# Altium PCB FMC_radio_holeRef.PcbDoc (part 1 of 2) (continued)
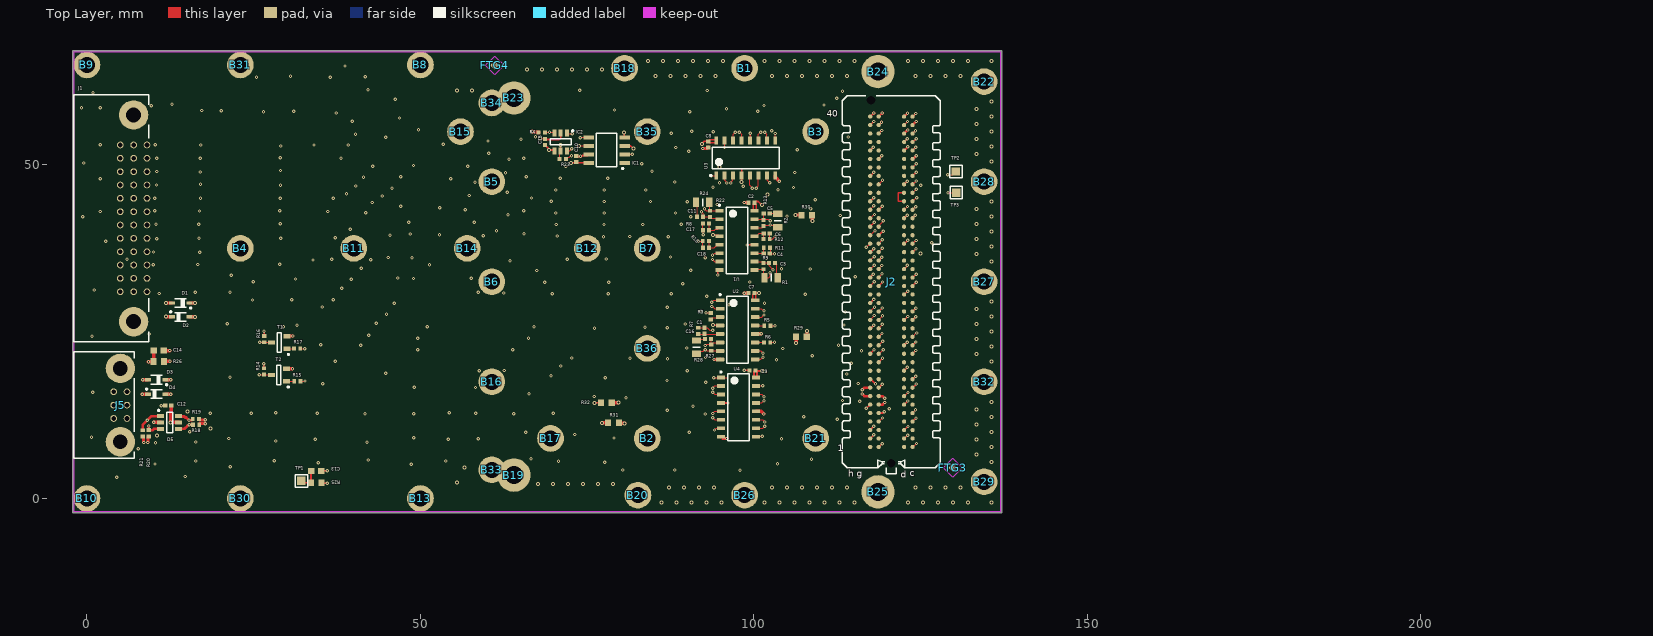
[diagram p0: Top Layer view]
## Footprints (in the part's own frame and the unit in brackets; to place one, negate y for a bottom-side part, rotate by r counter-clockwise, add the part's x,y. Pads: shape width x height; smd on the part's side, far side on the other; paste and mask are expansions set on the pad)
CAPC1005X55N [mm] "Capacitor, Non-Polarized, Chip; 1.00mm L X 0.50mm W X 0.70mm H, IPC Medium Density"
  rect 0.62x0.62 smd: 1(-0.45,0) 2(0.45,0)
  body extent -0.52,-0.27 0.53,0.28, height 0.55
CAPC1608X90N [mm] "Chip Capacitor, Body 1.6x0.8mm IPC Medium Density"
  rect 0.95x0.95 smd: 1(-0.75,0) 2(0.75,0)
  body extent -0.85,-0.45 0.85,0.45, height 0.9
D0016A_L [mm] "SOIC, 16-Leads, Body 10x4mm, Pitch 1.27mm, IPC High Density"
  rrect18% 1.25x0.55 smd: 1(-2.625,4.445) 2(-2.625,3.175) 3(-2.625,1.905) 4(-2.625,0.635) 5(-2.625,-0.635) 6(-2.625,-1.905) 7(-2.625,-3.175) 8(-2.625,-4.445) 9(2.625,-4.445) 10(2.625,-3.175) 11(2.625,-1.905) 12(2.625,-0.635) 13(2.625,0.635) 14(2.625,1.905) 15(2.625,3.175) 16(2.625,4.445)
  silkscreen extent -2.75,-5 1.6,5.39, body extent -3,-4.95 3,4.95, height 1.59
FIDUCIAL_TOP_C100-200 [mm] "Round Fiducial Target, Top Layer, 1.0mm, Top Solder 2.0mm, Keepout =2.0mm"
  round 1 smd paste-0.51 mask+0.5: FTG2(0,0)
  Top Layer keep-out circle w0.1: c0,0 r1
FIDUCIAL_TOP_S100-200 [mm] "Square Fiducial Target, Top Layer, 1.0mm, Top Solder 2.0mm, Keepout =2.0mm"
  rect 1x1 smd rot 45 paste-0.51 mask+0.5: 1(0,0)
  Top Layer keep-out region: 1.414,0 0,-1.414 -1.414,0 0,1.414
M80-5400642 [mm] "M80-5400642"
  round 1 hole 0.7: 1(2,1) 2(0,1) 3(-2,1) 4(2,-1) 5(0,-1) 6(-2,-1)
  round 4.4 hole 2.2: 7(-5.5,0) 8(5.5,0)
  silkscreen extent -8,-7 8,2.1, body extent -8,-7 8,2.1, height 6.05
M83-LML3M5N36-0000-000 [mm] "M83-LML3M5N36-0000-000"
  round 1 hole 0.7: 1(8,2) 2(6,2) 3(4,2) 4(2,2) 5(0,2) 6(-2,2) 7(-4,2) 8(-6,2) 9(-8,2) 10(-10,2) 11(-12,2) 12(-14,2) 13(8,0) 14(6,0) 15(4,0) 16(2,0) 17(0,0) 18(-2,0) 19(-4,0) 20(-6,0) 21(-8,0) 22(-10,0) 23(-12,0) 24(-14,0) 25(8,-2) 26(6,-2) 27(4,-2) 28(2,-2) 29(0,-2) 30(-2,-2) 31(-4,-2) 32(-6,-2) 33(-8,-2) 34(-10,-2) 35(-12,-2) 36(-14,-2)
  round 4.4 hole 2.25: 37(-18.5,0) 38(12.5,0)
  silkscreen extent -21.5,-9 15.5,2.24, body extent -21.5,-9 15.5,2.24, height 8.35
MTG240_400 [mm] "Plated Through Hole: Hole Dia.=2.4mm Pad Dia.=4.0mm"
  round 4 hole 2.4: 1(0,0)
MTG270_500 [mm] "Plated Through Hole: Hole Dia.=2.7mm Pad Dia.=5.0mm"
  round 5 hole 2.7: 1(0,0)
RESC1005X40N [mm] "Chip Resistor, EIA 0402, Metric 1005, Body 1.0x0.5mm, IPC Medium Density"
  rect 0.58x0.62 smd: 1(-0.47,0) 2(0.47,0)
  body extent -0.52,-0.27 0.53,0.28, height 0.4
RESC1608X55N [mm] "Chip Resistor, EIA 0603, Metric 1608, Body 1.6x0.8mm, IPC Medium Density"
  rect 0.9x1 smd: 1(-0.8,0) 2(0.8,0)
  body extent -0.87,-0.47 0.88,0.48, height 0.55
RESC2012X60N [mm] "Chip Resistor, EIA 0805, Metric 2012, Body 2.0x1.2mm, IPC Medium Density"
  rect 0.95x1.4 smd: 1(-1,0) 2(1,0)
  silkscreen extent 0,-0.55 0,0.55, body extent -1.1,-0.67 1.1,0.68, height 0.6
SAMTEC_ASP-127797-01 [mm] "Connector VITA 57, 160 Male contacts in 4 row cdgh"
  round 1 hole 1.3 unplated mask+0.3: 1(-27.191,-3.048) 2(27.191,0)
  round 0.64 smd: c1(24.765,3.175) c2(23.495,3.175) c3(22.225,3.175) c4(20.955,3.175) c5(19.685,3.175) c6(18.415,3.175) c7(17.145,3.175) c8(15.875,3.175) c9(14.605,3.175) c10(13.335,3.175) c11(12.065,3.175) c12(10.795,3.175) c13(9.525,3.175) c14(8.255,3.175) c15(6.985,3.175) c16(5.715,3.175) c17(4.445,3.175) c18(3.175,3.175) c19(1.905,3.175) c20(0.635,3.175) c21(-0.635,3.175) c22(-1.905,3.175) c23(-3.175,3.175) c24(-4.445,3.175) c25(-5.715,3.175) c26(-6.985,3.175) c27(-8.255,3.175) c28(-9.525,3.175) c29(-10.795,3.175) c30(-12.065,3.175) c31(-13.335,3.175) c32(-14.605,3.175) c33(-15.875,3.175) c34(-17.145,3.175) c35(-18.415,3.175) c36(-19.685,3.175) c37(-20.955,3.175) c38(-22.225,3.175) c39(-23.495,3.175) c40(-24.765,3.175) d1(24.765,1.905) d2(23.495,1.905) d3(22.225,1.905) d4(20.955,1.905) d5(19.685,1.905) d6(18.415,1.905) d7(17.145,1.905) d8(15.875,1.905) d9(14.605,1.905) d10(13.335,1.905) d11(12.065,1.905) d12(10.795,1.905) d13(9.525,1.905) d14(8.255,1.905) d15(6.985,1.905) d16(5.715,1.905) d17(4.445,1.905) d18(3.175,1.905) d19(1.905,1.905) d20(0.635,1.905) d21(-0.635,1.905) d22(-1.905,1.905) d23(-3.175,1.905) d24(-4.445,1.905) d25(-5.715,1.905) d26(-6.985,1.905) d27(-8.255,1.905) d28(-9.525,1.905) d29(-10.795,1.905) d30(-12.065,1.905) d31(-13.335,1.905) d32(-14.605,1.905) d33(-15.875,1.905) d34(-17.145,1.905) d35(-18.415,1.905) d36(-19.685,1.905) d37(-20.955,1.905) d38(-22.225,1.905) d39(-23.495,1.905) d40(-24.765,1.905) g1(24.765,-1.905) g2(23.495,-1.905) g3(22.225,-1.905) g4(20.955,-1.905) g5(19.685,-1.905) g6(18.415,-1.905) g7(17.145,-1.905) g8(15.875,-1.905) g9(14.605,-1.905) g10(13.335,-1.905) g11(12.065,-1.905) g12(10.795,-1.905) g13(9.525,-1.905) g14(8.255,-1.905) g15(6.985,-1.905) g16(5.715,-1.905) g17(4.445,-1.905) g18(3.175,-1.905) g19(1.905,-1.905) g20(0.635,-1.905) g21(-0.635,-1.905) g22(-1.905,-1.905) g23(-3.175,-1.905) g24(-4.445,-1.905) g25(-5.715,-1.905) g26(-6.985,-1.905) g27(-8.255,-1.905) g28(-9.525,-1.905) g29(-10.795,-1.905) g30(-12.065,-1.905) g31(-13.335,-1.905) g32(-14.605,-1.905) g33(-15.875,-1.905) g34(-17.145,-1.905) g35(-18.415,-1.905) g36(-19.685,-1.905) g37(-20.955,-1.905) g38(-22.225,-1.905) g39(-23.495,-1.905) g40(-24.765,-1.905) h1(24.765,-3.175) h2(23.495,-3.175) h3(22.225,-3.175) h4(20.955,-3.175) h5(19.685,-3.175) h6(18.415,-3.175) h7(17.145,-3.175) h8(15.875,-3.175) h9(14.605,-3.175) h10(13.335,-3.175) h11(12.065,-3.175) h12(10.795,-3.175) h13(9.525,-3.175) h14(8.255,-3.175) h15(6.985,-3.175) h16(5.715,-3.175) h17(4.445,-3.175) h18(3.175,-3.175) h19(1.905,-3.175) h20(0.635,-3.175) h21(-0.635,-3.175) h22(-1.905,-3.175) h23(-3.175,-3.175) h24(-4.445,-3.175) h25(-5.715,-3.175) h26(-6.985,-3.175) h27(-8.255,-3.175) h28(-9.525,-3.175) h29(-10.795,-3.175) h30(-12.065,-3.175) h31(-13.335,-3.175) h32(-14.605,-3.175) h33(-15.875,-3.175) h34(-17.145,-3.175) h35(-18.415,-3.175) h36(-19.685,-3.175) h37(-20.955,-3.175) h38(-22.225,-3.175) h39(-23.495,-3.175) h40(-24.765,-3.175)
  silkscreen extent -27.89,-7.34 28.78,7.34, body extent -27.89,-7.34 28.78,7.34, height 5.61
SOD2512X110N [mm] "Small Outline Diode (SOD-323), 1.70mm W X 1.25mm L X 1.10mm H body,  IPC Medium Density"
  rect 0.9x0.5 smd: 1(-1.3,0) 2(1.3,0)
  silkscreen extent -1.63,-0.65 0.85,0.87, body extent -1.35,-0.67 1.35,0.68, height 1.1
SOIC127P600X175-8N [mm] "SOIC 8, Pitch 1.27mm - Body 4x5mm, IPC Medium Density"
  rect 1.55x0.6 smd: 1(-2.7,1.905) 2(-2.7,0.635) 3(-2.7,-0.635) 4(-2.7,-1.905) 5(2.7,-1.905) 6(2.7,-0.635) 7(2.7,0.635) 8(2.7,1.905)
  silkscreen extent -2.53,-2.5 1.55,2.88, body extent -3.1,-2.5 3.1,2.5, height 1.75
SOT95P240X110-3N [mm] "SOT23 3-Leads, Pitch 0.95mm, Body 1.3x2.9mm, IPC Medium Density"
  rect 1.05x0.65 smd: 1(-1.15,0.95) 2(-1.15,-0.95) 3(1.15,0)
  silkscreen extent -1.53,-1.45 0.3,1.92, body extent -1.25,-1.5 1.25,1.5, height 1.1
SOT95P280X145-6N [mm] "SOT23, 6-Leads, Body 1.6x3.0mm, Pitch 0.95mm, IPC Medium Density"
  rect 1.05x0.6 smd: 1(-1.35,0.95) 2(-1.35,0) 3(-1.35,-0.95) 4(1.35,-0.95) 5(1.35,0) 6(1.35,0.95)
  silkscreen extent -1.77,-1.55 0.45,1.92, body extent -1.4,-1.5 1.4,1.5, height 1.45
TPS127 [mm] "1.27 x  1.27mm SMD Test Point Area"
  rect 1.27x1.27 smd paste-1.27: 1(0,0)
  silkscreen extent -0.94,-0.94 0.94,0.94

## Part data
B1 B2 B3 B4 B5 B6 B7 B8 B9 B10 B11 B12 B13 B14 B15 B16 B17 B18 B20 B21 B22 B26 B27 B28 B29 B30 B31 B32 B33 B34 B35 B36: library part PLATED_HOLE2.4_PAD4.0, "Single Terminal Socket", Author="CERN DEM JMW", ComponentHeight=0mm, Component Type="Standard (No BOM)", CreateDate=2011-10-10, Family="Plated Hole", LatestRevisionDate=2011-10-10, Mounted=No, PackageDescription="Plated Through Hole: Hole Dia.=2.4mm Pad Dia.=4.0mm", Part Description="Plated Through Hole: Hole Dia.=2.4mm Pad Dia.=4.0mm", Part Number=PLATED_HOLE2.4_PAD4.0, Pin Count=1, SMD=No, Socket=No, Status=None, Table=Pads
B19 B23 B24 B25: library part PLATED_HOLE2.7_PAD5.0, "Single Terminal Socket", Author="CERN DEM JMW", ComponentHeight=0mm, Component Type="Standard (No BOM)", CreateDate=27/09/2011, Family="Plated Hole", HelpURL=Undefined, LatestRevisionDate=27/09/2011, Mounted=No, PackageDescription="Plated Through Hole: Hole Dia.=2.7mm Pad Dia.=5.0mm", Part Description="Plated Through Hole: Hole Dia.=2.7mm Pad Dia.=5.0mm", Part Number=PLATED_HOLE2.7_PAD5.0, Pin Count=1, Sense=No, SMD=No, Socket=No, Status=None
C1 C3 C4 C5 C6 C11 C16 C17 C18: library part CC0402_100PF_25V_1%_C0G_KEMET_HiQ-CBR, "Non-polarised capacitor", Case=0402, Manufacturer=KEMET, Manufacturer Part Number=CBR04C101F3GAC, Tolerance=±1%, Voltage=25V, Author="CERN DEM BC", ComponentHeight=0.55mm, Component Type=Standard, CreateDate=17.11.2017, HelpURL=\\cern.ch\dfs\Applications\Altium\Datasheets\CC0402_C0G_KEMET_HiQ-CBR.pdf, LatestRevisionDate=21.11.2017, Mounted=Yes, Part Description="High Q and low ESR, SMD Multilayer Chip Ceramic Capacitor, HiQ-CBR Series", Part Number=CC0402_100PF_25V_1%_C0G_KEMET_HiQ-CBR, Pin Count=2, Sense=No, SMD=Yes, Socket=No, Status="Not Recommended", TC=C0G/NP0
C2 C7 C8 C9 C10 C12 C15: library part CC0402_100NF_16V_10%_X7R, "Non-polarised capacitor", Case=0402, Manufacturer=GENERIC, Manufacturer1 ComponentHeight=0.55mm, Manufacturer1 Example=MURATA, Manufacturer1 Part Number=GRM155R71C104KA88D, Tolerance=±10%, Voltage=16V, Author="CERN DEM JLC", Component Type=Standard, CreateDate=05.12.2013, HelpURL=\\cern.ch\dfs\Applications\Altium\Datasheets\CC0402_X7R_MURATA_GRM.pdf, LatestRevisionDate=03.12.2007, Manufacturer Part Number=CC0402_100NF_16V_10%_X7R, Mounted=Yes, Part Description="SMD Multilayer Chip Ceramic Capacitor", Part Number=CC0402_100NF_16V_10%_X7R, Pin Count=2, Sense=No, SMD=Yes, Socket=No, Status="Not Recommended", TC=X7R
C13 C14: library part CC0603_10NF_100V_10%_X7R_YUDEN_HMK107B7103KAHT, "Non-polarised capacitor", Case=0603, Manufacturer="TAIYO YUDEN", Manufacturer Part Number=HMK107B7103KAHT, Tolerance=±10%, Voltage=100V, Author="CERN DEM JLC", ComponentHeight=0.9mm, Component Type=Standard, CreateDate=10.05.2017, HelpURL=\\cern.ch\dfs\Applications\Altium\Datasheets\CC0603_TAIYO-YUDEN_HMK107B7103KAHT.pdf, LatestRevisionDate=10.05.2017, Mounted=Yes, Part Description="SMD Multilayer Chip Ceramic Capacitor for Automotive / Industrial Applications", Part Number=CC0603_10NF_100V_10%_X7R_YUDEN_HMK107B7103KAHT, Pin Count=2, Sense=No, SMD=Yes, Socket=No, Status="Not Recommended", TC=X7R
D1 D2 D3 D4: "Schottky Diode", Case=SOD323, Manufacturer=INFINEON, Power=750mA, Voltage=40V, Author="CERN DEM JLC", Bonding=No, ComponentHeight=1.1mm, Component Type=Standard, CreateDate=12.11.2014, Device=BAT165, HelpURL=\\cern.ch\dfs\Applications\Altium\Datasheets\BAT165.pdf, LatestRevisionDate=12.11.2014, Manufacturer Part Number=BAT165, Mounted=Yes, PackageDescription="Small Outline Diode (SOD-323), 1.70mm W X 1.25mm L X 1.10mm H body,  IPC Medium Density", Part Description="Medium Power AF Schottky Diode", Part Number=BAT165, Pin Count=2, PressFit=No, Sense=No, SMD=Yes, Socket=No
D5: library part HDMIULC6-4SC6, "Ultra Large Bandwidth HDMI ESD Protection", Case=SOT23-6, Manufacturer="ST MICROELECTRONICS", Voltage=6V, Author="CERN DEM JLC", Bonding=No, ComponentHeight=1.45mm, Component Type=Standard, CreateDate=04.06.2012, Device=QSBT40-7-F, HelpURL=\\cern.ch\dfs\Applications\Altium\Datasheets\HDMIULC6-4SC6.pdf, LatestRevisionDate=03.07.2012, Manufacturer Part Number=QSBT40-7-F, Mounted=Yes, PackageDescription="SOT23, 6-Leads, Body 1.6x3.0mm, Pitch 0.95mm, IPC Medium Density", Part Description="Ultra Large Bandwidth HDMI ESD (15kV) Protection", Part Number=QSBT40-7-F, Pin Count=6, PressFit=No, Sense=No, SMD=Yes, Socket=No
FTG1 FTG2: library part FIDUCIAL_TARGET_C100-200, "Fiducial Target", Author="CERN DEM JLC", ComponentHeight=0mm, Component Type="Standard (No BOM)", CreateDate=09/02/2010, Family=Fiducial, HelpURL=Undefined, LatestRevisionDate=04/04/2012, Mounted=No, PackageDescription="Round Fiducial Target, Top Layer, 1.0mm, Top Solder 2.0mm, Keepout =2.0mm", Part Description="Round Fiducial Target, Top Layer, 1.0mm, Top Solder 2.0mm, Keepout =2.0mm", Part Number=FIDUCIAL_TARGET_C100-200, Pin Count=1, Sense=No, SMD=Yes, Socket=No, Status=None
FTG3 FTG4: library part FIDUCIAL_TARGET_S100-200, "Fiducial Target", Author="CERN DEM JLC", ComponentHeight=0mm, Component Type="Standard (No BOM)", CreateDate=09/02/2010, Family=Fiducial, HelpURL=Undefined, LatestRevisionDate=04/04/2012, Mounted=No, PackageDescription="Square Fiducial Target, Top Layer, 1.0mm, Top Solder 2.0mm, Keepout =2.0mm", Part Description="Square Fiducial Target, Top Layer, 1.0mm, Top Solder 2.0mm, Keepout =2.0mm", Part Number=FIDUCIAL_TARGET_S100-200, Pin Count=1, Sense=No, SMD=Yes, Socket=No, Status=None
IC1: "4Kb Serial 3V F-RAM Memory", Case=SOIC8, Manufacturer=CYPRESS, Author="CERN DEM JLC", Bonding=No, ComponentHeight=1.75mm, Component Type=Standard, CreateDate=25.11.2013, Device=FM24CL04B-G, HelpURL=\\cern.ch\dfs\Applications\Altium\Datasheets\FM24CL04B-G.pdf, LatestRevisionDate=25.11.2013, Manufacturer Part Number=FM24CL04B-G, Mounted=Yes, PackageDescription="SOIC 8, Pitch 1.27mm - Body 4x5mm, IPC Medium Density", Part Description="4Kb Serial 3V F-RAM Memory", Part Number=FM24CL04B-G, Pin Count=8, PressFit=No, Sense=No, SMD=Yes, Socket=No
IC2: "Digital Temperature Sensor with I2C Interface", Case=SOT23-6, Manufacturer="TEXAS INSTRUMENTS", Author="CERN DEM JLC", Bonding=No, ComponentHeight=1.45mm, Component Type=Standard, CreateDate=25.04.2012, Device=TMP101NA/250, HelpURL=\\cern.ch\dfs\Applications\Altium\Datasheets\TMP101NA-250.pdf, LatestRevisionDate=25.04.2012, Manufacturer Part Number=TMP101NA/250, Mounted=Yes, PackageDescription="SOT23, 6-Leads, Body 1.6x3.0mm, Pitch 0.95mm, IPC Medium Density", Part Description="-55°C to +125°C, ±3.0°C Accuracy, Digital Temperature Sensor with I2C Interface", Part Number=TMP101NA/250, Pin Count=6, PressFit=No, Sense=No, SMD=Yes, Socket=No
J1: library part 61303611021, "Pin Header WR-PHD, pitch 2.54 mm, THT, Angled, single row, 36 pin", Contact Resistance="20 mOhm", Insulation Resistance=">1000 MOhm", Operating Temperature="-40 to 105 degC", Rated Current="3 A", Working Voltage="250 VAC", ComponentLink1Description=Manufacturer, ComponentLink1URL=http://www.we-online.de, ComponentLink2Description=Datasheet, ComponentLink2URL=http://katalog.we-online.de/em/datasheet/6130xx11021.pdf, Mounting Technology=THT, Orientation=Angled, Part Number=M83-LML3M5N36-0000-000, Pin Number=36, Pitch="2.54 mm", Published Date="Jan. 2018", Publisher=HARWIN, Row Number=Single
J2: library part SAMTEC_ASP-127797-01, "Connector VITA 57, 160 Male contacts in 4 row cdgh", Manufacturer=SAMTEC, Manufacturer Part Number=ASP-134488-01, Author="CERN DEM JLC", ComponentHeight=6.1mm, Component Type=Standard, CreateDate=9/24/2009, Datasheet=\\cern.ch\dfs\Applications\Altium\Datasheets\SAMTEC_ASP-127797-01.pdf, Family="VITA 57", HelpURL=\\cern.ch\dfs\Applications\Altium\Datasheets\SAMTEC_ASP-127797-01.pdf, LatestRevisionDate=9/24/2009, Mounted=Yes, Part Description="160 contacts (4 rows cdgh) Surface Mount Male Connector, VITA 57", Part Number=SAMTEC_ASP-127797-01, Pin Count=160, SMD=Yes, Socket=No, Status=None, Table=SAMTEC
J5: library part 61000618221, "Pin Header WR-PHD, pitch 2.54 mm, SMD, Vertical, single row, 6 pin", Contact Resistance="20 mOhm", Insulation Resistance=">1000 MOhm", Operating Temperature="-40 to 105 degC", Rated Current="3 A", Working Voltage="250 VAC", ComponentLink1Description=Manufacturer, ComponentLink1URL=http://www.we-online.de, ComponentLink2Description=Datasheet, ComponentLink2URL=http://katalog.we-online.de/em/datasheet/6100xx18221.pdf, Mounting Technology=SMD, Orientation=Vertical, Part Number=M80-5400642, Pin Number=6, Pitch="2.54 mm", Published Date="Jan. 2018", Publisher=Harwin, Row Number=Single
R1 R2 R24 R28: library part R0805_120R_1%_0.125W_100PPM, "Resistor - 1%", Case=0805, Manufacturer=GENERIC, Manufacturer1 ComponentHeight=0.6mm, Manufacturer1 Example="NIC COMPONENT", Manufacturer1 Part Number=NRC10F1200TRF, Power=0.125W, Tolerance=±1%, Author="CERN DEM JLC", Component Type=Standard, CreateDate=03.12.2007, HelpURL=\\cern.ch\dfs\Applications\Altium\Datasheets\R0805_NIC_NRC.pdf, LatestRevisionDate=13.03.2008, Manufacturer Part Number=R0805_120R_1%_0.125W_100PPM, Mounted=Yes, Part Description="General Purpose Thick Film Chip Resistor", Part Number=R0805_120R_1%_0.125W_100PPM, Pin Count=2, PressFit=No, Sense=No, SMD=Yes, Socket=No, Status=Preferred, TC=±100ppm/°C
R3 R4 R5 R6 R7 R8 R9 R10 R11 R12 R13 R14 R15 R16 R17 R22 R23 R27: library part R0402_10K_1%_0.0625W_100PPM, "Resistor - 1%", Case=0402, Manufacturer=GENERIC, Manufacturer1 ComponentHeight=0.4mm, Manufacturer1 Example="YAGEO PHYCOMP", Manufacturer1 Part Number=232270671003L, Power=0.0625W, Tolerance=±1%, Author="CERN DEM JLC", Component Type=Standard, CreateDate=03.12.2007, HelpURL=\\cern.ch\dfs\Applications\Altium\Datasheets\R0402_Phycomp_RC0402.pdf, LatestRevisionDate=17.10.2012, Manufacturer Part Number=R0402_10K_1%_0.0625W_100PPM, Mounted=Yes, Part Description="General Purpose Thick Film Chip Resistor", Part Number=R0402_10K_1%_0.0625W_100PPM, Pin Count=2, PressFit=No, Sense=No, SMD=Yes, Socket=No, Status="Not Recommended", TC=±100ppm/°C
R18 R19 R20 R21: library part R0402_22R_1%_0.0625W_100PPM, "Resistor - 1%", Case=0402, Manufacturer=GENERIC, Manufacturer1 ComponentHeight=0.4mm, Manufacturer1 Example="YAGEO PHYCOMP", Manufacturer1 Part Number=232270672209L, Power=0.0625W, Tolerance=±1%, Author="CERN DEM JLC", Component Type=Standard, CreateDate=03.12.2007, HelpURL=\\cern.ch\dfs\Applications\Altium\Datasheets\R0402_Phycomp_RC0402.pdf, LatestRevisionDate=17.10.2012, Manufacturer Part Number=R0402_22R_1%_0.0625W_100PPM, Mounted=Yes, Part Description="General Purpose Thick Film Chip Resistor", Part Number=R0402_22R_1%_0.0625W_100PPM, Pin Count=2, PressFit=No, Sense=No, SMD=Yes, Socket=No, Status="Not Recommended", TC=±100ppm/°C
R25 R26: library part R0603_1M_1%_0.1W_100PPM, "Resistor - 1%", Case=0603, Manufacturer=GENERIC, Manufacturer1 ComponentHeight=0.55mm, Manufacturer1 Example="NIC COMPONENT", Manufacturer1 Part Number=NRC06F1004TRF, Power=0.1W, Tolerance=±1%, Author="CERN DEM JLC", Component Type=Standard, CreateDate=03.12.2007, HelpURL=\\cern.ch\dfs\Applications\Altium\Datasheets\R0603_NIC_NRC.pdf, LatestRevisionDate=13.03.2008, Manufacturer Part Number=R0603_1M_1%_0.1W_100PPM, Mounted=Yes, Part Description="General Purpose Thick Film Chip Resistor", Part Number=R0603_1M_1%_0.1W_100PPM, Pin Count=2, PressFit=No, Sense=No, SMD=Yes, Socket=No, Status=Preferred, TC=±100ppm/°C
R29 R30 R31 R32: library part R0603_0R_JUMPER, "Resistor", Case=0603, Manufacturer=GENERIC, Manufacturer1 ComponentHeight=0.55mm, Manufacturer1 Example="NIC COMPONENT", Manufacturer1 Part Number=NRC06Z0, Author="CERN DEM JLC", Component Type=Standard, CreateDate=03.12.2007, HelpURL=\\cern.ch\dfs\Applications\Altium\Datasheets\R0603_NIC_NRC.pdf, LatestRevisionDate=13.03.2008, Manufacturer Part Number=R0603_0R_JUMPER, Mounted=Yes, Part Description="1A (0.05R Max DC Resistance) Zero Ohm Jumper", Part Number=R0603_0R_JUMPER, Pin Count=2, PressFit=No, Sense=No, SMD=Yes, Socket=No, Status=Preferred
T1 T2: "NPN Transistor", Case=SOT23-3, Manufacturer="FAIRCHILD SEMICONDUCTOR", Author="CERN DEM JLC", Bonding=No, ComponentHeight=1.3mm, Component Type=Standard, CreateDate=14.05.2008, Device=BSR17A, HelpURL=\\cern.ch\dfs\Applications\Altium\Datasheets\BSR17A.pdf, LatestRevisionDate=14.05.2008, Manufacturer Part Number=BSR17A, Mounted=Yes, PackageDescription="SOT23 3-Leads, Pitch 0.95mm - Body 1.4x3mm, IPC Medium Density", Part Description="40V 200mA NPN General-Purpose Amplifier", Part Number=BSR17A, Pin Count=3, PressFit=No, Sense=No, SMD=Yes, Socket=No
TP1 TP2 TP3: library part SMD_PAD_1.27X1.27MM, Author="CERN DEM JLC", ComponentHeight=0mm, Component Type="Standard (No BOM)", CreateDate=2008-01-12, Family="Test Point", HelpURL=Undefined, LatestRevisionDate=2008-01-12, Mounted=No, PackageDescription="1.27mm x 1.27mm PCB Copper Area (SMD Test Point)", Part Description="1.27mm x 1.27mm PCB Copper Area (SMD Test Point)", Part Number=SMD_PAD_1.27X1.27MM, Pin Count=1, Sense=No, SMD=Yes, Socket=No, Status=None
U1 U2: library part CMP-0310-00361-2, "Low-Voltage High-Speed Quadruple Differential Line Receiver with +/-15-kV IEC ESD, 0 TX / 4 RX, 3.3V, -40 to 85 degC, 16-Pin SOIC (D), Green (RoHS & no Sb/Br)", Manufacturer="Texas Instruments", Rating=Catalog, Receivers Per Package=4, Supply Voltage(s)(Max)(V)=3.6, Supply Voltage(s)(Min)(V)=3, Supply Voltage(s)(V)=3.3, # of TX/RX="0 TX / 4 RX", Code_JEDEC=MS-012AC, ComponentLink1Description=Datasheet, ComponentLink1URL=http://www.ti.com/general/docs/lit/getliterature.tsp?genericPartNumber=AM26LV32E&fileType=pdf, ComponentLink2Description="Package Specification", ComponentLink2URL=http://www.ti.com/litv/pdf/mpds178g, DatasheetVersion=SLLS849A, Eco-Plan="Green (RoHS & no Sb/Br)", ESD(kV)=15, Mounting Technology="Surface Mount", PackageDescription="16-Pin Plastic Small Outline Integrated Circuit, 9.9 x 3.9 mm, Pitch 1.27 mm Pitch", PackageReference=D0016A, PackageVersion="revM, Jun-2011", PartNumber=AM26LV32EIDR, SubFamily=RS-422
U3 U4: library part CMP-0310-00294-2, "Low-Voltage High-Speed Quadruple Differential Line Driver with +/-15-kV IEC ESD Protection, 4 TX / 0 RX, 3.3V, -40 to 85 degC, 16-Pin SOIC (D), Green (RoHS & no Sb/Br)", Drivers Per Package=4, Manufacturer="Texas Instruments", Rating=Catalog, Supply Voltage(s)(Max)(V)=3.6, Supply Voltage(s)(Min)(V)=3, Supply Voltage(s)(V)=3.3, # of TX/RX="4 TX / 0 RX", Code_JEDEC=MS-012AC, ComponentLink1Description=Datasheet, ComponentLink1URL=http://www.ti.com/general/docs/lit/getliterature.tsp?genericPartNumber=AM26LV31E&fileType=pdf, ComponentLink2Description="Package Specification", ComponentLink2URL=http://www.ti.com/litv/pdf/mpds178g, DatasheetVersion=SLLS848A, Eco-Plan="Green (RoHS & no Sb/Br)", ESD(kV)=15, ICC(Max)(mA)=0.1, Mounting Technology="Surface Mount", PackageDescription="16-Pin Plastic Small Outline Integrated Circuit, 9.9 x 3.9 mm, Pitch 1.27 mm Pitch", PackageReference=D0016A, PackageVersion="revM, Jun-2011", PartNumber=AM26LV31EIDR, SubFamily=RS-422

## Free pads (board coordinates)
  round 3.5 on Mech9: 1(51,-11.5) 1(228,-11.5)

## Via types
v1: diameter 0.5, hole 0.2, Top Layer to Bottom Layer, 509 vias
v2: diameter 0.6, hole 0.3, Top Layer to Bottom Layer, 152 vias

## Nets (pads, with @x,y where several pads share a name; then routed paths per layer and width w, separated by ;. In a path a pad name is that pad's centre, name@x,y a point inside that pad or via, vN(x,y) a via of type N, cw(c..) or ccw(c..) an arc to the next point about the centre after c; other vN are vias at no path point)
3P3VAUX: C10.2 C15.2 IC1.8 IC2.4 J2.d32 | length 78.4
  Top Layer w0.254: C15.2@68.656,53.017 69.225,52.448 69.225,52.314 v2(69.291,52.248) ; v2(69.291,52.248) 69.938,52.247 IC2.4@70.068,52.117 ; v2(72.568,50.317) 73.246,50.317 C10.2@73.355,50.426 73.464,50.317 IC1.8@75.209,50.317 ; J2.d32@122.505,47.096 122.984,47.574 v1(122.987,47.574)
  SIG w0.254: v2(72.568,50.317) 71.145,50.317 69.317,52.146 69.317,52.222 v2(69.291,52.248) 69.291,53.416 68.656,54.051 68.656,55.905 73.406,60.655 112.624,60.655 116.23,57.048 116.23,51.257 118.089,49.399 118.141,49.399 119.335,48.205 122.356,48.205 v1(122.987,47.574)
12P0V: J2.c35 J2.c37 | length 4.6
  Top Layer w0.254: J2.c37@123.775,53.446 123.8,53.446 v1(124.304,53.95)
  Top Layer w0.406: J2.c35@123.775,50.906 123.838,50.906 123.955,51.023 123.96,51.023 v1(124.308,51.37)
  SIG w0.254: v1(124.304,53.95) 124.351,53.903 124.351,53.663 124.993,53.021 124.993,52.399 124.328,51.734 124.328,51.391 v1(124.308,51.37)
CON_M83.EWC27_CMD_RX_N: J1.10 U1.7 | length 96.2
  Top Layer w0.127: v1@93.868,35.84 v1(93.781,35.84) 94.092,35.529 94.809,35.529 U1.7@94.819,35.519
  SIG w0.127: J1.10@9,49 9,48.227 9.074,48.152 37.947,48.152 45.375,40.723 59.81,40.723 67.056,33.477 92.862,33.477 94.711,35.327 94.711,35.677 94.387,36.001 94.042,36.001 93.881,35.84 v1(93.781,35.84) v1@93.681,35.84
CON_M83.EWC27_CMD_RX_P: J1.9 U1.6 | length 97.2
  Top Layer w0.127: v1(93.781,36.467) 94.092,36.779 94.809,36.779 U1.6@94.819,36.789
  SIG w0.127: J1.9@9,47 9,47.773 9.074,47.848 37.82,47.848 45.249,40.419 59.683,40.419 66.93,33.172 92.988,33.172 95.016,35.201 95.016,35.803 94.513,36.306 94.042,36.306 93.952,36.395 v1@93.609,36.395
CON_M83.EWC27_CMD_TX_N: J1.29 U3.13 | length 131.5
  Top Layer w0.127: v1(97.808,54.915) 98.13,54.593 U3.13@98.13,53.671
  SIG w0.127: J1.29@5,39 5,39.773 4.926,39.848 3.969,39.848 2.695,41.121 2.695,59.082 4.928,61.316 41.071,61.316 50.164,52.222 57.302,52.222 59.842,54.762 63.195,54.762 70.663,47.295 83.967,47.295 92.934,56.261 97.002,56.261 97.647,55.615 97.647,55.176 97.808,55.015 v1(97.808,54.915)
CON_M83.EWC27_CMD_TX_P: J1.30 U3.14 | length 130
  Top Layer w0.127: U3.14@96.86,53.671 96.86,54.593 v1(97.181,54.915)
  SIG w0.127: J1.30@5,41 5,40.227 4.926,40.152 4.095,40.152 3,41.248 3,58.956 5.055,61.011 40.945,61.011 50.038,51.918 57.429,51.918 59.969,54.458 63.069,54.458 70.537,46.99 84.094,46.99 93.06,55.956 96.876,55.956 97.343,55.489 97.343,55.176 97.181,55.015 v1(97.181,54.915)
CON_M83.EWC27_FAULT_N: C5.2 J1.12 R13.2 U1.15 | length 103.1
  Top Layer w0.127: U1.15@100.069,41.869 R13.2@101.361,41.869 ; R13.2@101.452,41.778 R13.2@101.361,41.869 ; C5.2@101.466,42.729 101.452,42.715 R13.2@101.452,41.869 ; v1(102.417,41.622) 102.403,41.622 102.156,41.869 R13.2@101.452,41.869 ; R13.2@101.361,41.869 R13.2@101.452,41.869
  SIG w0.127: J1.12@9,53 9,52.227 9.074,52.152 10.07,52.152 38.931,52.152 45.441,45.643 55.867,45.643 57.929,43.58 63.861,43.58 67.072,40.369 90.221,40.369 91.312,41.461 102.156,41.461 102.317,41.622 v1(102.417,41.622)
CON_M83.EWC27_FAULT_P: J1.11 R2.2 R13.1 U1.14 | length 103.4
  Top Layer w0.127: U1.14@100.069,40.599 100.082,40.612 101.225,40.612 R13.1@101.452,40.838 101.608,40.995 v1(102.417,40.995) 103.251,40.995 R2.2@103.569,40.676
  SIG w0.127: J1.11@9,51 9,51.773 9.074,51.848 10.197,51.848 38.805,51.848 45.314,45.338 55.74,45.338 57.803,43.276 63.735,43.276 66.946,40.064 90.347,40.064 91.438,41.156 102.156,41.156 102.317,40.995 v1(102.417,40.995)
CON_M83.EWC27_OFF_VCC_N: J1.28 U3.11 | length 139.5
  Top Layer w0.127: U3.11@100.67,53.671 100.67,54.593 v1(100.991,54.915)
  SIG w0.127: J1.28@5,37 5,36.227 4.926,36.152 2.848,36.152 1.284,37.716 1.284,58.959 4.325,62 42.47,62 46.465,58.005 57.286,58.005 59.132,56.159 59.317,56.159 59.326,56.168 59.901,56.168 59.91,56.159 63.806,56.159 71.197,48.768 83.298,48.768 91.858,57.328 99.517,57.328 101.153,55.692 101.153,55.176 100.991,55.015 v1(100.991,54.915)
CON_M83.EWC27_OFF_VCC_P: J1.27 U3.10 | length 141
  Top Layer w0.127: v1(101.618,54.915) 101.94,54.593 U3.10@101.94,53.671
  SIG w0.127: J1.27@5,35 5,35.773 4.926,35.848 2.721,35.848 0.98,37.589 0.98,59.086 4.199,62.305 42.596,62.305 46.591,58.31 57.413,58.31 59.25,56.473 60.028,56.473 60.036,56.464 63.932,56.464 71.323,49.073 83.172,49.073 91.732,57.633 99.643,57.633 101.457,55.819 101.457,55.176 101.618,55.015 v1(101.618,54.915)
CON_M83.EWC27_RST_N: J1.2 U4.11 | length 105.2
  Top Layer w0.127: U4.11@100.298,11.787 101.297,11.787 v1(101.618,11.465)
  SIG w0.127: J1.2@9,33 9,32.227 9.074,32.152 16.843,32.152 21.437,27.559 32.308,27.559 39.623,20.244 63.297,20.244 67.236,16.305 85.472,16.305 92.481,9.296 94.285,9.296 96.293,11.304 101.358,11.304 101.519,11.465 v1(101.618,11.465)
CON_M83.EWC27_RST_P: J1.1 U4.10 | length 105.2
  Top Layer w0.127: U4.10@100.298,10.517 101.297,10.517 v1(101.618,10.838)
  SIG w0.127: J1.1@9,31 9,31.773 9.074,31.848 16.717,31.848 21.311,27.254 32.182,27.254 39.497,19.939 63.171,19.939 67.11,16 85.346,16 92.355,8.991 94.411,8.991 96.42,10.999 101.358,10.999 101.519,10.838 v1(101.618,10.838)
CON_M83.EWC31_CLK_RX_N: J1.24 R22.1 R24.1 U1.1 | length 111.3
  Top Layer w0.127: v1(92.571,43.445) 92.871,43.144 R22.1@93.388,43.144 ; R24.1@93.296,44.389 93.388,44.297 R22.1@93.388,43.144 ; U1.1@94.731,43.082 94.669,43.144 R22.1@93.388,43.144
  SIG w0.127: J1.24@7,53 7,52.227 7.074,52.152 7.702,52.152 7.874,52.324 7.874,53.34 8.661,54.127 11.4,54.127 11.966,54.693 12.57,54.693 13.018,54.246 13.018,53.83 13.286,53.561 13.638,53.561 13.907,53.83 13.907,54.246 14.354,54.693 14.958,54.693 15.405,54.246 15.405,53.83 15.674,53.561 16.025,53.561 16.294,53.83 16.294,54.246 16.742,54.693 17.345,54.693 17.793,54.246 17.793,53.83 18.062,53.561 18.413,53.561 18.682,53.83 18.682,54.246 19.129,54.693 19.733,54.693 20.18,54.246 20.18,53.83 20.449,53.561 20.8,53.561 21.069,53.83 21.069,54.246 21.517,54.693 22.12,54.693 22.568,54.246 22.568,53.83 22.837,53.561 23.188,53.561 23.457,53.83 23.457,54.246 23.904,54.693 24.508,54.693 24.956,54.246 24.956,53.83 25.224,53.561 25.576,53.561 25.845,53.83 25.845,54.246 26.292,54.693 26.896,54.693 27.343,54.246 27.343,53.83 27.612,53.561 27.963,53.561 28.232,53.83 28.232,54.246 28.68,54.693 29.283,54.693 29.731,54.246 29.731,53.83 30,53.561 30.351,53.561 30.62,53.83 30.62,54.246 31.067,54.693 31.671,54.693 32.118,54.246 32.118,53.83 32.387,53.561 32.738,53.561 33.304,54.127 35.149,54.127 35.715,54.693 36.319,54.693 36.885,54.127 39.598,54.127 40.565,53.16 41.366,53.16 41.793,52.733 41.793,51.933 42.737,50.988 43.537,50.988 43.964,50.561 43.964,49.811 46.57,47.205 57.062,47.205 59.233,45.034 65.634,45.034 68.58,42.088 88.671,42.088 90.582,43.999 91.789,43.999 92.272,43.515 92.5,43.515 v1(92.571,43.445)
CON_M83.EWC31_CLK_RX_P: C11.2 J1.23 R22.2 U1.2 | length 110.9
  Top Layer w0.127: v1(92.128,43.002) 92.189,42.94 92.189,42.934 92.383,42.741 C11.2@92.383,42.23 93.362,42.23 R22.2@93.388,42.204 93.614,41.978 94.565,41.978 U1.2@94.731,41.812
  SIG w0.127: J1.23@7,51 7,51.773 7.074,51.848 7.829,51.848 8.179,52.198 8.179,53.214 8.788,53.823 11.527,53.823 12.093,54.389 12.444,54.389 12.713,54.12 12.713,53.704 13.16,53.257 13.764,53.257 14.211,53.704 14.211,54.12 14.48,54.389 14.831,54.389 15.1,54.12 15.1,53.704 15.548,53.257 16.151,53.257 16.599,53.704 16.599,54.12 16.868,54.389 17.219,54.389 17.488,54.12 17.488,53.704 17.935,53.257 18.539,53.257 18.987,53.704 18.987,54.12 19.255,54.389 19.607,54.389 19.876,54.12 19.876,53.704 20.323,53.257 20.927,53.257 21.374,53.704 21.374,54.12 21.643,54.389 21.994,54.389 22.263,54.12 22.263,53.704 22.711,53.257 23.314,53.257 23.762,53.704 23.762,54.12 24.031,54.389 24.382,54.389 24.651,54.12 24.651,53.704 25.098,53.257 25.702,53.257 26.149,53.704 26.149,54.12 26.418,54.389 26.769,54.389 27.038,54.12 27.038,53.704 27.486,53.257 28.089,53.257 28.537,53.704 28.537,54.12 28.806,54.389 29.157,54.389 29.426,54.12 29.426,53.704 29.873,53.257 30.477,53.257 30.924,53.704 30.924,54.12 31.193,54.389 31.545,54.389 31.813,54.12 31.813,53.704 32.261,53.257 32.865,53.257 33.431,53.823 35.276,53.823 35.842,54.389 36.193,54.389 36.759,53.823 39.472,53.823 40.439,52.855 41.239,52.855 41.488,52.607 41.488,51.806 42.611,50.683 43.411,50.683 43.66,50.435 43.66,49.635 46.394,46.9 56.936,46.9 59.107,44.729 65.507,44.729 68.454,41.783 88.798,41.783 90.708,43.694 91.663,43.694 92.057,43.3 92.057,43.072 v1(92.128,43.002)
CON_M83.EWC31_CLK_TX_N: J1.33 U3.3 | length 120.5
  Top Layer w0.127: v1(96.538,47.307) 96.538,47.394 96.825,47.68 96.825,48.386 U3.3@96.86,48.421
  SIG w0.127: J1.33@5,47 5,47.773 4.926,47.848 4.694,47.848 3.708,48.833 3.708,58.521 5.383,60.195 40.337,60.195 49.605,50.927 57.659,50.927 59.589,52.857 62.687,52.857 69.994,45.551 70.01,45.551 70.019,45.542 84.074,45.542 89.826,51.294 95.627,51.294 96.377,50.544 96.377,47.567 96.538,47.406 v1(96.538,47.307)
CON_M83.EWC31_CLK_TX_P: J1.34 U3.2 | length 120.5
  Top Layer w0.127: U3.2@95.59,48.421 95.625,48.386 95.625,47.68 95.911,47.394 v1(95.911,47.307)
  SIG w0.127: J1.34@5,49 5,48.227 4.926,48.152 4.82,48.152 4.013,48.96 4.013,58.395 5.509,59.891 40.211,59.891 49.479,50.622 57.785,50.622 59.715,52.553 62.561,52.553 69.867,45.246 69.884,45.246 69.892,45.237 84.2,45.237 84.353,45.39 88.633,49.67 88.723,49.76 88.848,49.886 88.956,49.886 89.044,49.797 89.152,49.797 89.224,49.869 89.224,49.977 89.136,50.065 89.136,50.173 89.208,50.245 89.315,50.245 89.404,50.157 89.511,50.157 89.583,50.228 89.583,50.336 89.495,50.424 89.495,50.532 89.621,50.658 89.8,50.838 89.952,50.99 90.079,50.99 90.333,50.99 90.587,50.99 90.765,50.99 90.841,50.913 90.841,50.789 90.918,50.712 91.019,50.712 91.095,50.789 91.095,50.913 91.172,50.99 91.273,50.99 91.349,50.913 91.349,50.789 91.426,50.712 91.527,50.712 91.603,50.789 91.603,50.913 91.68,50.99 92.608,50.99 95.501,50.99 96.073,50.418 96.073,47.567 95.911,47.406 v1(95.911,47.307)
CON_M83.EWC31_CMD_RX_N: J1.31 R27.1 R28.1 U2.7 | length 101.5
  Top Layer w0.127: R28.1@91.386,21.694 91.797,22.106 92.38,22.106 92.58,22.306 v1(92.681,22.306) 92.765,22.306 92.921,22.15 R27.1@93.596,22.15 93.628,22.117 U2.7@94.923,22.117
  SIG w0.127: J1.31@5,43 5,43.773 5.074,43.848 5.18,43.848 5.891,43.136 5.891,42.701 6.588,42.005 31.631,42.005 45.568,28.067 85.623,28.067 91.223,22.467 92.421,22.467 92.582,22.306 v1(92.681,22.306)
CON_M83.EWC31_CMD_RX_P: C16.2 J1.32 R27.2 U2.6 | length 100.6
  Top Layer w0.127: v1(92.681,22.933) 92.765,22.933 92.921,23.09 R27.2@93.596,23.09 93.596,23.848 C16.2@93.556,23.888 ; R27.2@93.822,23.316 94.852,23.316 U2.6@94.923,23.387
  SIG w0.127: J1.32@5,45 5,44.227 5.074,44.152 5.306,44.152 6.196,43.262 6.196,42.827 6.714,42.309 31.757,42.309 45.695,28.372 85.75,28.372 91.349,22.772 92.421,22.772 92.582,22.933 v1(92.681,22.933)
CON_M83.EWC31_CMD_TX_N: J1.15 U4.5 | length 102.9
  Top Layer w0.127: v1(93.824,12.735) 94.146,13.057 U4.5@95.048,13.057
  SIG w0.127: J1.15@7,35 7,35.773 7.074,35.848 7.18,35.848 7.814,35.213 7.814,34.778 8.592,34 16.728,34 22.203,28.524 33.63,28.524 40.895,21.26 64.161,21.26 68.378,17.043 86.081,17.043 91.964,11.161 94.469,11.161 94.994,11.685 94.994,12.292 94.711,12.574 94.085,12.574 93.924,12.735 v1(93.824,12.735) v1@93.725,12.735
CON_M83.EWC31_CMD_TX_P: J1.16 U4.6 | length 101.9
  Top Layer w0.127: v1(93.824,12.108) 94.146,11.787 U4.6@95.048,11.787
  SIG w0.127: J1.16@7,37 7,36.227 7.074,36.152 7.306,36.152 8.119,35.339 8.119,34.905 8.719,34.305 16.854,34.305 22.33,28.829 33.757,28.829 41.021,21.565 64.287,21.565 68.504,17.348 86.207,17.348 92.09,11.465 94.342,11.465 94.689,11.812 94.689,12.166 94.585,12.269 94.085,12.269 93.924,12.108 v1(93.824,12.108) v1@93.725,12.108
CON_M83.EWC31_DATA_RX_N: J1.22 R1.1 R9.1 U1.9 | length 112.6
  Top Layer w0.127: U1.9@100.069,34.249 100.195,34.374 R9.1@101.452,34.374 101.452,33.234 R1.1@101.569,33.117 102.23,33.117 102.413,33.299 102.413,33.828 v1(102.402,33.838)
  SIG w0.127: J1.22@7,49 7,48.227 7.074,48.152 7.512,48.152 7.823,48.463 7.823,49.631 8.383,50.19 38.405,50.19 46.152,42.443 60.604,42.443 67.961,35.087 89.993,35.087 92.6,37.694 96.189,37.694 100.888,32.995 102.387,32.995 102.843,33.45 102.843,33.626 102.7,33.768 102.473,33.768 v1(102.402,33.838)
CON_M83.EWC31_DATA_RX_P: C3.2 J1.21 R9.2 U1.10 | length 112.6
  Top Layer w0.127: U1.10@100.069,35.519 101.247,35.519 R9.2@101.452,35.314 102.228,35.314 C3.2@102.253,35.289 102.265,35.277 102.265,34.862 v1(102.845,34.282)
  SIG w0.127: J1.21@7,47 7,47.773 7.074,47.848 7.639,47.848 8.128,48.337 8.128,49.505 8.509,49.886 38.279,49.886 46.026,42.139 60.478,42.139 67.835,34.782 90.12,34.782 92.726,37.389 96.063,37.389 100.762,32.69 102.513,32.69 103.147,33.324 103.147,33.752 102.916,33.983 102.916,34.211 v1(102.845,34.282)
CON_M83.EWC31_DATA_TX_N: J1.36 U3.5 | length 118.2
  Top Layer w0.127: U3.5@99.4,48.421 99.4,46.941 99.721,46.62 v1(99.721,46.533)
  SIG w0.127: J1.36@5,53 5,52.227 5.074,52.152 5.18,52.152 5.69,52.663 5.69,53.796 6.784,54.889 8.077,54.889 8.839,55.651 10.463,55.651 10.731,55.92 10.731,58 11.179,58.447 11.783,58.447 12.23,58 12.23,55.92 12.499,55.651 12.85,55.651 13.119,55.92 13.119,58 13.567,58.447 14.17,58.447 14.618,58 14.618,55.92 14.887,55.651 21.308,55.651 21.654,55.996 21.654,56.156 22.177,56.68 22.882,56.68 23.406,56.156 23.406,55.996 23.751,55.651 41.858,55.651 48.539,48.971 57.543,48.971 59.312,50.74 62.392,50.74 69.317,43.815 87.706,43.815 89.611,45.72 99.603,45.72 99.883,45.999 99.883,46.272 99.721,46.433 v1(99.721,46.533)
CON_M83.EWC31_DATA_TX_P: J1.35 U3.6 | length 118.7
  Top Layer w0.127: v1(100.348,46.533) 100.67,46.854 U3.6@100.67,48.421
  SIG w0.127: J1.35@5,51 5,51.773 5.074,51.848 5.306,51.848 5.995,52.537 5.995,53.669 6.91,54.585 8.203,54.585 8.965,55.347 10.589,55.347 11.036,55.794 11.036,57.873 11.305,58.142 11.656,58.142 11.925,57.873 11.925,55.794 12.373,55.347 12.976,55.347 13.424,55.794 13.424,57.873 13.693,58.142 14.044,58.142 14.313,57.873 14.313,55.794 14.76,55.347 21.435,55.347 21.958,55.87 21.958,56.03 22.303,56.375 22.756,56.375 23.101,56.03 23.101,55.87 23.625,55.347 41.732,55.347 48.412,48.666 57.669,48.666 59.438,50.435 62.265,50.435 69.19,43.51 87.832,43.51 89.737,45.415 99.729,45.415 100.187,45.873 100.187,46.272 100.348,46.433 v1(100.348,46.533)
CON_M83.EWC31_DATA_VALID_N: J1.6 U2.9 | length 105.3
  Top Layer w0.127: U2.9@100.173,20.847 101.025,20.847 v1(101.346,21.169)
  SIG w0.127: J1.6@9,41 9,40.227 9.074,40.152 31.196,40.152 44.602,26.746 84.505,26.746 91.211,20.041 95.326,20.041 95.673,20.387 101.921,20.387 102.21,20.676 102.21,21.007 101.887,21.33 101.607,21.33 101.446,21.169 v1(101.346,21.169)
CON_M83.EWC31_DATA_VALID_P: J1.5 U2.10 | length 106.3
  Top Layer w0.127: U2.10@100.173,22.117 101.025,22.117 v1(101.346,21.796)
  SIG w0.127: J1.5@9,39 9,39.773 9.074,39.848 31.07,39.848 44.476,26.441 84.379,26.441 91.084,19.736 95.453,19.736 95.799,20.082 102.047,20.082 102.514,20.549 102.514,21.133 102.013,21.634 101.607,21.634 101.446,21.796 v1(101.346,21.796)
CON_M83.EWC31_FAULT_N: J1.8 U2.15 | length 104.8
  Top Layer w0.127: U2.15@100.173,28.467 101.09,28.467 101.411,28.146 v1(101.498,28.146)
  SIG w0.127: J1.8@9,45 9,44.227 9.074,44.152 10.598,44.152 37.373,44.152 43.68,37.845 43.68,33.332 47.04,29.972 88.29,29.972 91.058,27.203 93.636,27.203 94.417,27.984 101.238,27.984 101.399,28.146 v1(101.498,28.146)
CON_M83.EWC31_FAULT_P: J1.7 U2.14 | length 104.8
  Top Layer w0.127: U2.14@100.173,27.197 101.177,27.197 v1(101.498,27.519)
  SIG w0.127: J1.7@9,43 9,43.773 9.074,43.848 10.724,43.848 37.247,43.848 43.376,37.719 43.376,33.205 46.914,29.667 88.163,29.667 90.932,26.899 93.762,26.899 94.543,27.68 101.238,27.68 101.399,27.519 v1(101.498,27.519)
CON_M83.EWC31_LOCK_DETECT_N: J1.20 U2.1 | length 98.5
  Top Layer w0.127: v1(93.673,29.416) 93.994,29.737 U2.1@94.923,29.737
  SIG w0.127: J1.20@7,45 7,44.227 7.074,44.152 7.18,44.152 7.813,44.786 7.813,45.22 8.77,46.177 37.287,46.177 49.276,34.188 58.014,34.188 59.766,35.941 62.154,35.941 66.37,31.725 88.715,31.725 91.185,29.254 93.412,29.254 93.573,29.416 v1(93.673,29.416)
CON_M83.EWC31_LOCK_DETECT_P: J1.19 U2.2 | length 98.5
  Top Layer w0.127: v1(93.673,28.789) 93.76,28.789 94.081,28.467 U2.2@94.923,28.467
  SIG w0.127: J1.19@7,43 7,43.773 7.074,43.848 7.306,43.848 8.118,44.659 8.118,45.094 8.896,45.872 37.161,45.872 49.15,33.884 58.14,33.884 59.892,35.636 62.028,35.636 66.244,31.42 88.589,31.42 91.059,28.95 93.412,28.95 93.573,28.789 v1(93.673,28.789)
CON_M83.EWC31_OFF_VCC_N: J1.4 U4.13 | length 105.9
  Top Layer w0.127: U4.13@100.298,14.327 101.177,14.327 v1(101.498,14.648)
  SIG w0.127: J1.4@9,37 9,36.227 9.074,36.152 17.876,36.152 23.028,31 34.71,31 42.418,23.292 66.298,23.292 70.489,19.101 87.004,19.101 91.043,15.062 93.878,15.062 95.351,13.589 100.254,13.589 100.706,14.041 101.774,14.041 102.083,14.35 102.083,14.707 101.98,14.809 101.759,14.809 101.598,14.648 v1(101.498,14.648)
CON_M83.EWC31_OFF_VCC_P: J1.3 U4.14 | length 106.9
  Top Layer w0.127: U4.14@100.298,15.597 101.177,15.597 v1(101.498,15.275)
  SIG w0.127: J1.3@9,35 9,35.773 9.074,35.848 17.749,35.848 22.902,30.695 34.584,30.695 42.292,22.987 66.172,22.987 70.363,18.796 86.878,18.796 90.917,14.757 93.751,14.757 95.225,13.284 100.38,13.284 100.832,13.737 101.9,13.737 102.387,14.224 102.387,14.833 102.106,15.114 101.759,15.114 101.598,15.275 v1(101.498,15.275)
CON_M83.EWC31_RST_N: J1.18 U4.3 | length 101.6
  Top Layer w0.127: v1(93.824,15.918) 94.146,15.597 U4.3@95.048,15.597
  SIG w0.127: J1.18@7,41 7,40.227 6.926,40.152 6.694,40.152 6.005,39.463 6.005,38.446 6.673,37.778 18.433,37.778 22.479,33.731 33.986,33.731 42.537,25.18 42.553,25.18 43.019,24.714 67.438,24.714 72.34,19.812 87.865,19.812 91.598,16.079 93.564,16.079 93.725,15.918 v1(93.824,15.918)
CON_M83.EWC31_RST_P: J1.17 U4.2 | length 100.6
  Top Layer w0.127: v1(93.824,16.545) 94.146,16.867 U4.2@95.048,16.867
  SIG w0.127: J1.17@7,39 7,39.773 6.926,39.848 6.82,39.848 6.309,39.337 6.309,38.572 6.799,38.082 18.559,38.082 22.605,34.036 34.112,34.036 42.663,25.485 42.68,25.485 43.145,25.019 67.564,25.019 72.466,20.117 87.991,20.117 91.724,16.384 93.564,16.384 93.725,16.545 v1(93.824,16.545)